# Allegro board 08_041351d.brd (continued)
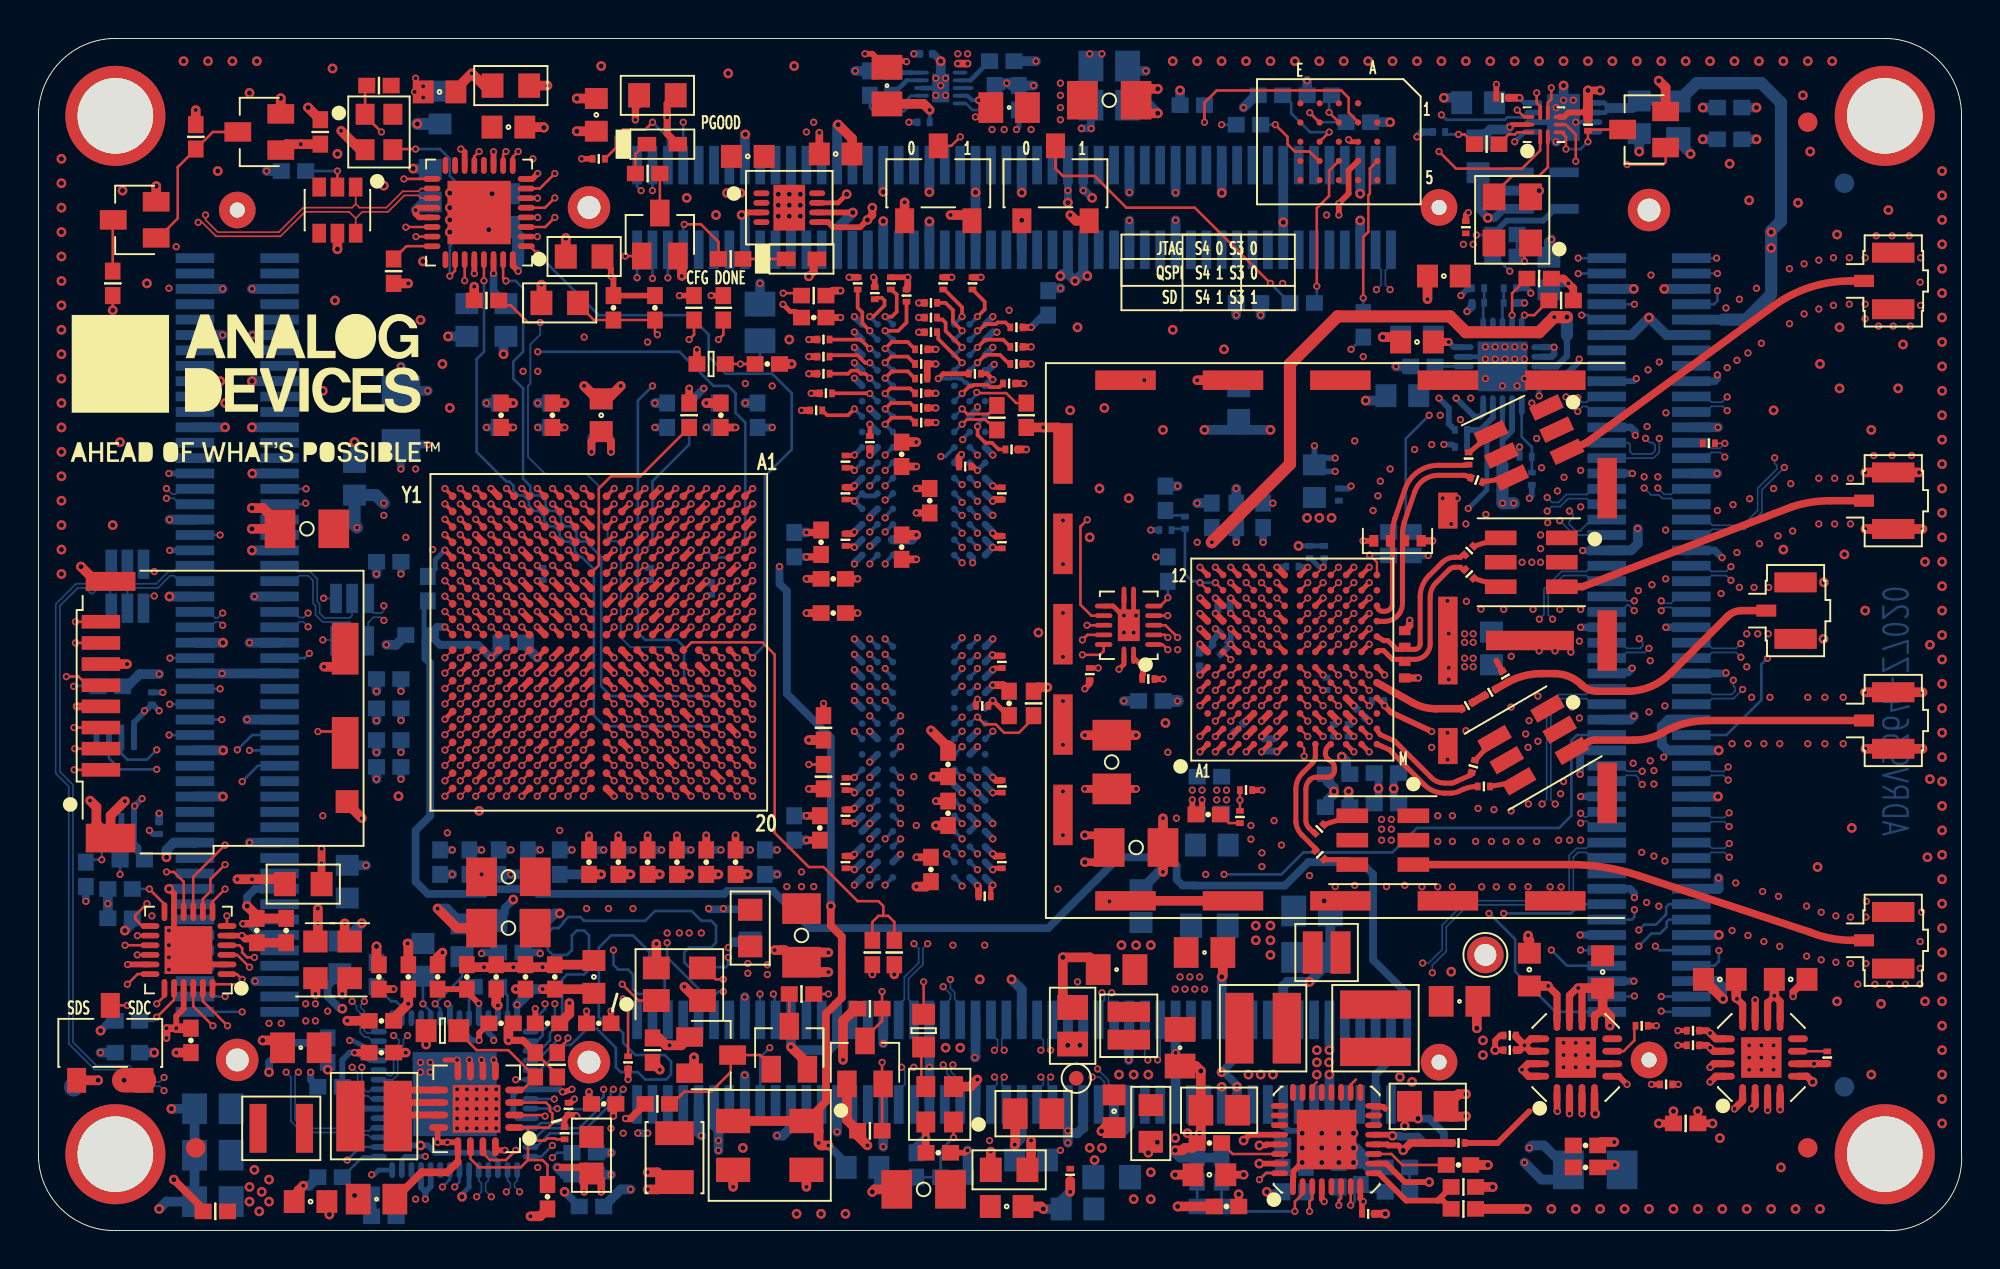
[diagram p0: board, top side]
## Routing (per net, layer and track width the routed paths; a pad name or vN(x,y) marks a point on that pad's centre or on a via; arc(x,y) is an arc through that point) (continued)
  BOTTOM w0.089: v1(55.07,8.41) 55.07,8.39 55.64,7.82 55.64,7.64 55.93,7.35 JX2.64
IO_L20_13_JX2_P: length 54.7
  TOP w0.089: U1.Y12 v1(21.14,28.99)
  L13_SIGNAL w0.089: v1(54.79,7.98) 54.28,8.49 52,8.49 50.65,7.14 34.95,7.14 33.4,8.69 33.4,9.71 31.22,11.89 31.22,12.55 30.58,13.19 28.5,13.19 26.85,14.84 24.18,14.84 20.5,18.52 20.5,22.33 20.12,22.71 20.12,28.56 20.55,28.99 v1(21.14,28.99)
  BOTTOM w0.089: v1(54.79,7.98) 55.17,7.98 55.42,7.73 55.42,7.6 55.13,7.3 JX2.62
IO_L20_34_JX4_N: length 80.4
  TOP w0.089: U1.R18 v1(25.14,24.19)
  L6_SIGNAL w0.089: v1(80.19,21.19) 80.44,21.44 81.1,21.44 81.22,21.33 81.22,21.2 81.08,21.06 80.7,21.06 80.57,20.94 80.57,20.68 80.7,20.56 80.95,20.56 81.33,20.94 81.61,20.94 81.84,20.7 81.84,20.24 81.27,19.67 78.86,19.67 77.9,18.71 77.9,17.41 76.53,16.03 66.57,16.03 62.69,12.15 60.4,12.15 58.06,9.81 55.4,9.81 54.2,8.62 48.46,8.62 47.46,7.61 36.62,7.61 30.52,13.71 29.82,13.71 27.94,15.59 27.94,16.86 27.29,17.51 26.32,17.51 25.35,18.48 25.35,20.36 25.05,20.66 25.05,21.79 25.54,22.28 25.54,23.53 25.14,23.93 v1(25.14,24.19)
  BOTTOM w0.089: JX4.76 80.83,20.97 80.51,21.29 80.29,21.29 v1(80.19,21.19)
IO_L20_34_JX4_P: length 80.4
  TOP w0.089: U1.T17 v1(24.34,24.99)
  L6_SIGNAL w0.089: v1(24.34,24.99) 24.34,24.72 24.8,24.26 24.8,20.55 25.1,20.25 25.1,18.37 26.21,17.25 27.19,17.25 27.69,16.75 27.69,15.49 29.72,13.46 30.41,13.46 36.51,7.36 47.56,7.36 48.57,8.36 54.31,8.36 55.5,9.56 58.17,9.56 60.5,11.89 62.79,11.89 66.68,15.78 76.64,15.78 78.16,17.3 78.16,18.61 78.96,19.41 81.37,19.41 82.09,20.13 82.09,20.81 81.21,21.7 v1(80.19,21.7)
  BOTTOM w0.089: v1(80.19,21.7) 80.38,21.51 80.51,21.51 80.77,21.77 JX4.74
IO_L20_35_CTRL_OUT2: length 38.7
  TOP w0.127: U1.K14 v1(29.94,27.39) ; U17.E5 v1(63.6,28.09)
  L4_SIGNAL w0.095: v1(29.94,27.39) 29.52,27.81 29.52,29.06 29.83,29.38 41.3,29.38 42.25,30.33 58.12,30.33 59.14,29.32 62.17,29.32 62.41,29.08 62.41,28.73 62.65,28.49 63.2,28.49 v1(63.6,28.09)
IO_L20_35_CTRL_OUT3: length 36.8
  TOP w0.127: U1.J14 v1(30.74,27.39) ; U17.E4 v1(63.6,27.29)
  L4_SIGNAL w0.095: v1(63.6,27.29) 63.22,27.67 62.6,27.67 62.41,27.86 62.41,28.3 62.22,28.49 59.11,28.49 58.85,28.24 57.96,28.24 57.39,28.81 42.09,28.81 41.84,28.56 30.53,28.56 30.34,28.37 30.34,27.78 v1(30.74,27.39)
IO_L21_13_JX2_N: length 57
  TOP w0.089: U1.V10 v1(22.74,31.39)
  L13_SIGNAL w0.089: v1(22.74,31.39) 23.07,31.05 23.07,28.84 22.75,28.52 22.6,28.52 22.27,28.2 22.27,22.33 22.02,22.08 22.02,20.66 22.4,20.28 22.4,18.02 24.56,15.86 27.72,15.86 29.37,14.21 31.02,14.21 32.51,12.71 32.51,12.38 34.5,10.4 57.18,10.4 58.07,9.51 58.07,9 v1(58.19,8.87)
  BOTTOM w0.089: JX2.69 58.33,9.01 v1(58.19,8.87)
IO_L21_13_JX2_P: length 57.1
  TOP w0.089: U1.V11 v1(22.74,29.79)
  L13_SIGNAL w0.089: v1(22.74,29.79) 22.79,29.84 22.79,30.46 22.66,30.59 22.53,30.59 22.4,30.46 22.4,28.98 21.95,28.52 21.8,28.52 21.6,28.33 21.6,22.25 21.77,22.08 21.77,20.56 22.15,20.17 22.15,17.91 24.46,15.6 27.61,15.6 29.26,13.95 30.91,13.95 32.26,12.61 32.26,12.28 34.39,10.14 57.08,10.14 57.81,9.4 57.81,9 v1(57.68,8.87)
  BOTTOM w0.089: JX2.67 57.53,9.03 v1(57.68,8.87)
IO_L21_34_JX4_N: length 85.6
  TOP w0.089: U1.V18 v1(22.74,24.19)
  L13_SIGNAL w0.089: v1(87.92,19.42) 87.46,19.87 86.8,19.87 86.41,19.48 86.41,14.97 83.87,12.43 83.87,11.92 83.11,11.16 74.6,11.16 73.59,10.14 58.22,10.14 57.46,10.9 35.66,10.9 34.8,11.77 34.8,13.32 33.81,14.31 31.7,14.31 30.53,15.48 28.75,15.48 27.23,17 25.85,17 25.09,17.76 24.33,17.76 23.42,18.67 23.42,22.03 23.17,22.28 23.17,24.45 23.02,24.59 22.86,24.59 22.74,24.47 v1(22.74,24.19)
  BOTTOM w0.089: JX4.79 86.69,19.37 86.98,19.66 87.67,19.66 v1(87.92,19.42)
IO_L21_34_JX4_P: length 85.5
  TOP w0.089: U1.V17 v1(22.74,24.99)
  L13_SIGNAL w0.089: v1(87.92,20.13) 86.7,20.13 86.16,19.59 86.16,15.07 83.62,12.53 83.62,12.02 83,11.41 74.5,11.41 73.48,10.4 58.32,10.4 57.56,11.16 35.77,11.16 35.05,11.87 35.05,13.42 33.91,14.56 31.81,14.56 30.64,15.73 28.86,15.73 27.34,17.25 25.96,17.25 25.2,18.02 24.44,18.02 23.67,18.78 23.67,22.08 23.93,22.33 23.93,24.31 23.65,24.58 23.42,24.58 23.01,24.99 v1(22.74,24.99)
  BOTTOM w0.089: JX4.77 86.73,20.17 87.02,19.88 87.67,19.88 v1(87.92,20.13)
IO_L21_35_CTRL_OUT4: length 52.8
  TOP w0.127: U1.N15 v1(26.74,26.59) ; U17.F6 v1(64.4,28.89)
  L13_SIGNAL w0.095: v1(26.74,26.59) 26.79,26.59 27.23,26.14 29.1,26.14 29.79,25.45 30.21,25.45 30.28,25.38 30.33,25.33 36.48,25.33 36.67,25.13 36.67,24.85 36.99,24.53 37.28,24.53 37.47,24.33 37.47,23.96 38.25,23.19 38.25,23.13 39.42,21.95 41.58,21.95 41.96,21.57 48.95,21.57 51.61,24.24 51.61,29.95 52.5,30.84 52.5,32.24 53.27,33 57.89,33 58.58,32.32 58.86,32.32 59.19,31.99 60.02,31.99 60.26,31.75 62.89,31.75 63.26,31.39 63.26,31.15 63.46,30.95 63.7,30.95 64.06,30.59 64.06,29.23 v1(64.4,28.89)
IO_L21_35_CTRL_OUT5: length 52
  TOP w0.127: U1.N16 v1(26.74,25.79) ; U17.F5 v1(64.4,28.09)
  L3_SIGNAL w0.095: v1(26.74,25.79) 26.75,25.79 27.21,26.25 29.12,26.25 29.79,26.93 30.08,26.93 30.4,27.25 30.4,27.53 30.66,27.79 37.48,27.79 38.33,28.65 38.33,31.13 42.34,35.15 44.22,35.15 44.63,35.55 47.16,35.55 47.5,35.9 50.31,35.9 50.87,35.33 54.83,35.33 55.3,35.8 v1(60.25,35.8)
  L4_SIGNAL w0.095: v1(64.4,28.09) 64.4,28.41 64,28.81 64,34.91 63.74,35.16 60.89,35.16 v1(60.25,35.8)
IO_L22_34_JX4_N: length 74.9
  TOP w0.089: U1.W19 v1(21.94,23.39)
  L3_SIGNAL w0.089: v1(21.94,23.39) 21.54,22.99 21.54,22.39 22.08,21.85 22.08,17.55 24.62,15.01 30.71,15.01 31.54,14.17 34.39,14.17 35.55,15.33 55.89,15.33 56.99,16.43 65.61,16.43 68.91,13.13 71.87,13.13 72.15,13.41 v1(72.48,13.41)
  BOTTOM w0.089: JX4.80 80.79,19.37 80.49,19.67 80.06,19.67 79.81,19.41 79.81,17.44 79.3,16.94 74.35,16.94 73.2,15.79 73.2,14.52 72.48,13.8 v1(72.48,13.41)
IO_L22_34_JX4_P: length 75
  TOP w0.089: U1.W18 v1(21.94,24.19)
  L3_SIGNAL w0.089: v1(21.94,24.19) 22.33,23.79 22.33,17.65 24.73,15.26 30.81,15.26 31.65,14.42 34.29,14.42 35.45,15.58 55.78,15.58 56.88,16.68 65.71,16.68 69.01,13.38 71.76,13.38 71.97,13.59 v1(71.97,13.91)
  BOTTOM w0.089: JX4.78 80.77,20.17 80.48,19.88 79.97,19.88 79.59,19.5 79.59,17.53 79.21,17.15 74.26,17.15 72.99,15.88 72.99,14.61 72.29,13.91 v1(71.97,13.91)
IO_L22_35_CTRL_OUT6: length 54.1
  TOP w0.127: U1.L14 v1(28.34,27.39) ; U17.F4 v1(64.4,27.29)
  L13_SIGNAL w0.095: v1(28.34,27.39) 28.91,27.39 29.37,26.93 30.08,26.93 30.27,26.73 30.27,26.27 30.42,26.13 36.48,26.13 36.67,25.93 36.67,25.65 36.99,25.33 37.28,25.33 37.47,25.13 37.47,24.66 39.8,22.33 46.18,22.33 46.52,22.67 47.13,22.67 47.68,23.23 48.97,23.23 49.29,23.55 49.29,23.71 49.49,23.9 49.5,23.9 51.36,25.76 51.36,32.24 52.5,33.38 59.11,33.38 60.06,32.43 62.94,32.43 63.26,32.11 63.26,31.95 63.46,31.75 63.53,31.75 63.55,31.73 64.57,31.73 64.82,31.48 64.82,27.72 v1(64.4,27.29)
IO_L22_35_CTRL_OUT7: length 49.2
  TOP w0.127: U17.G4 v1(66,27.29) ; U1.L15 v1(28.34,26.59)
  L4_SIGNAL w0.095: v1(28.34,26.59) 28.69,26.59 29.39,25.89 29.39,22.59 30.09,21.89 37.96,21.89 38.72,21.13 41.14,21.13 41.58,21.57 50.15,21.57 51.8,19.92 61.2,19.92 62.76,21.48 63.46,21.48 66.41,24.43 66.41,26.88 v1(66,27.29)
IO_L23_34_CTRL_IN0: length 40.5
  TOP w0.127: U1.N17 v1(26.74,24.99)
  TOP w0.14: U22.13 55.39,30.13 55.2,29.94 v1(54.28,29.94)
  L13_SIGNAL w0.095: v1(54.28,29.94) 53.91,29.94 53.65,29.67 53.65,27.03 52.88,26.27 52.88,22.97 49.85,19.93 49.49,19.93 49.29,19.73 49.29,19.37 49.07,19.16 45.87,19.16 45.79,19.07 45.5,19.07 45.42,19.16 40.18,19.16 37.09,22.25 36.99,22.25 36.8,22.45 36.8,22.61 36.48,22.93 29.81,22.93 28.67,24.06 28.67,24.33 28.48,24.53 27.52,24.53 27.06,24.99 v1(26.74,24.99)
IO_L23_34_CTRL_IN1: length 44.1
  TOP w0.127: U1.P18 v1(25.94,24.19)
  TOP w0.14: v1(54.28,30.72) 54.54,30.98 U22.12
  L13_SIGNAL w0.095: v1(54.28,30.72) 54.66,30.33 54.66,29.72 54.5,29.56 54.07,29.56 53.9,29.39 53.9,22.84 49.97,18.91 49.97,18.63 49.77,18.43 40.82,18.43 40.66,18.27 39.42,18.27 38.75,18.95 38.75,19.93 38,20.68 37.26,20.68 35.74,22.21 29.26,22.21 28.42,23.05 28.19,23.05 28,23.25 28,23.47 27.62,23.85 27.39,23.85 27.2,24.05 27.2,24.27 26.82,24.65 26.37,24.65 25.94,24.21 v1(25.94,24.19)
IO_L23_35_SPI_CLK: length 57.2
  TOP w0.127: U17.J5 v1(67.6,28.09) ; U1.M15 v1(27.54,26.59)
  L13_SIGNAL w0.095: v1(67.6,28.09) 67.36,28.33 67.36,28.65 67.24,28.77 67.24,29.19 67.14,29.29 67.14,32.23 66.82,32.55 63.46,32.55 63.26,32.75 63.26,33.03 62.94,33.35 60.26,33.35 59.85,33.76 52.25,33.76 51.11,32.62 51.11,26.14 49.2,24.24 48.19,24.24 47.11,23.16 42.79,23.16 42.72,23.23 42.29,23.23 42.16,23.35 39.93,23.35 38.15,25.13 38.15,25.38 37.28,26.25 36.99,26.25 36.8,26.45 36.8,26.74 36.61,26.93 30.64,26.93 30.27,27.29 30.27,27.53 30.01,27.79 28.25,27.79 27.87,27.42 27.87,27.25 27.54,26.91 v1(27.54,26.59)
IO_L23_35_SPI_ENB: length 55.8
  TOP w0.127: U17.K6 v1(68.4,28.89) ; U1.M14 v1(27.54,27.39)
  L4_SIGNAL w0.095: v1(27.54,27.39) 27.54,27.07 28,26.61 28,26.39 28.25,26.14 28.5,26.14 29.01,25.64 29.01,22.4 29.83,21.57 37.39,21.57 38.22,20.75 45.14,20.75 45.39,20.49 47.49,20.49 47.74,20.75 50.15,20.75 52.63,18.27 60.44,18.27 v1(60.69,18.52)
  L12_SIGNAL w0.095: v1(60.69,18.52) 61.01,18.84 61.01,19.54 64,22.52 64.31,22.52 65.14,23.35 65.14,28.11 65.52,28.49 68,28.49 v1(68.4,28.89)
IO_L24_34_CTRL_IN2: length 60.8
  TOP w0.127: U1.P15 v1(25.94,26.59)
  TOP w0.14: U22.11 v1(54.52,31.48)
  L12_SIGNAL w0.095: v1(54.03,12.94) 51.54,12.94 51.16,12.55 47.68,12.55 47.42,12.3 44.4,12.3 43.77,11.67 35.61,11.67 33.33,13.95 32.44,13.95 30.02,16.36 29.52,16.36 26.6,19.29 26.6,20.05 26.34,20.3 26.34,26.02 25.94,26.42 v1(25.94,26.59)
  L16_SIGNAL w0.095: v1(54.52,31.48) 54.14,31.48 53.9,31.24 53.9,24.37 52.38,22.84 52.38,13.95 53.39,12.94 v1(54.03,12.94)
IO_L24_34_CTRL_IN3: length 43.7
  TOP w0.127: U1.P16 v1(25.94,25.79)
  TOP w0.14: U22.10 54.75,31.98 54.18,32.54 54.18,36.61 v1(54.54,36.96)
  L3_SIGNAL w0.095: v1(25.94,25.79) 26.33,26.18 26.33,26.77 26.49,26.93 28.9,26.93 29.77,27.79 30.15,27.79 30.34,27.99 30.34,28.37 30.53,28.56 37.4,28.56 37.87,29.02 37.87,31.22 40.34,33.69 40.34,35.12 42.74,37.52 44.39,37.52 44.93,36.98 45.79,36.98 46.06,36.71 51.73,36.71 52.35,36.09 53.66,36.09 v1(54.54,36.96)
IO_L24_35_SPI_DI: length 47.3
  TOP w0.127: U1.K16 v1(29.94,25.79) ; U17.J4 v1(67.6,27.29)
  L4_SIGNAL w0.095: v1(67.6,27.29) 67.22,27.67 65.79,27.67 65.65,27.53 65.65,25.76 65.27,25.38 65.27,24.43 64.49,23.65 64.49,23.1 63.22,21.83 59.73,21.83 59.16,22.4 47.49,22.4 47.17,22.71 46.34,22.71 46.02,22.4 41.71,22.4 41.31,22 38.58,22 38.38,22.21 30.53,22.21 30.28,22.46 30.28,25.51 30,25.79 v1(29.94,25.79)
IO_L24_35_SPI_DO: length 48.5
  TOP w0.127: U1.J16 v1(30.74,25.79) ; U17.L6 v1(69.2,28.89)
  L3_SIGNAL w0.095: v1(30.74,25.79) 30.34,25.39 30.34,22.21 31.32,21.23 41.29,21.23 41.76,20.76 45.28,20.76 45.4,20.63 47.32,20.63 47.45,20.76 50.17,20.76 50.47,21.06 57.33,21.06 59.74,23.48 63.04,23.48 63.94,24.37 63.94,25.13 64.16,25.35 64.54,25.35 65.66,26.48 65.66,26.63 65.98,26.95 66.14,26.95 66.46,27.27 66.46,27.43 66.78,27.75 66.94,27.75 67.26,28.07 67.26,28.23 67.58,28.55 68.54,28.55 68.88,28.89 v1(69.2,28.89)
J3-9: length 103.4
  TOP w0.14: J3.9 15.95,25.83 15.82,25.95 v1(14.53,25.95) ; v1(78.67,59.43) 78.67,58.84 78.48,58.66 U5.7
  L7_SIGNAL w0.095: v1(78.67,59.43) 77.79,60.31 73.59,60.31 68.76,55.48 64.57,55.48 60.12,51.04 42.6,51.04 38.66,47.1 36.88,47.1 34.6,44.81 32.06,44.81 31.55,44.3 27.87,44.3 27.48,43.92 21.52,43.92 15.93,38.34 15.93,27.35 v1(14.53,25.95)
  L15_SIGNAL w0.095: v1(14.53,25.95) 7.99,25.95 7.55,26.4 3.74,26.4 v1(1.83,28.3)
  BOTTOM w0.14: 3.1,28.3 3.08,28.32 1.85,28.32 v1(1.83,28.3)
JTAG_TCK: length 26.7
  TOP w0.127: U1.F9 v1(33.14,32.19)
  L6_SIGNAL w0.095: v1(31.34,54.08) 31.34,52.39 33.07,50.65 33.07,48.85 32.99,48.76 32.99,48.48 33.07,48.4 33.07,41.51 31.17,39.61 31.17,33.68 31.39,33.45 31.68,33.45 32,33.13 32,32.85 32.19,32.65 32.67,32.65 v1(33.14,32.19)
  BOTTOM w0.14: JX1.1 31.13,54.29 v1(31.34,54.08)
JTAG_TDI: length 17.8
  TOP w0.127: U1.G6 v1(32.34,34.59)
  L3_SIGNAL w0.095: v1(31.93,49.51) 31.93,49.51 31.93,48.24 32.69,47.48 32.69,41.26 31.93,40.49 31.93,35.03 32.34,34.63 v1(32.34,34.59)
  BOTTOM w0.14: JX1.4 v1(31.93,49.51)
JTAG_TDO: length 24
  TOP w0.127: U1.F6 v1(33.14,34.59)
  L6_SIGNAL w0.095: v1(33.14,34.59) 32.82,34.59 32.35,35.05 32.19,35.05 31.87,35.37 31.87,39.42 33.45,41 33.45,48.27 33.79,48.61 33.79,49.78 33.45,50.12 33.45,51.04 31.68,52.81 31.68,53.83 v1(31.93,54.08)
  BOTTOM w0.14: JX1.3 v1(31.93,54.08)
JTAG_TMS: length 18
  TOP w0.127: U1.J6 v1(30.74,34.59)
  L3_SIGNAL w0.095: v1(30.74,34.59) 30.72,34.59 30.33,34.98 30.33,40.56 29.78,41.1 29.78,44.7 31.17,46.08 31.17,49.51 v1(31.13,49.55)
  BOTTOM w0.14: JX1.2 v1(31.13,49.55)
JX3_SD1_CDN: length 100.6
  TOP w0.14: v1(76.89,58.27) 77.25,57.91 U5.9
  L12_SIGNAL w0.095: v1(76.89,58.27) 74.73,58.27 72.7,60.31 66.25,60.31 66.2,60.36 65.73,60.36 65.68,60.31 58.22,60.31 54.03,56.12 30.53,56.12 28.88,57.77 20.63,57.77 16.56,53.7 15.17,53.7 5.89,44.43 5.89,41 4.75,39.86 4.75,29.95 5.26,29.45 5.26,28.43 6.32,27.37 v1(6.83,27.37)
  BOTTOM w0.14: JX3.41 v1(6.83,27.37)
JX_VCCO_13: length 111.2
  TOP w0.127: U1.W7 v1(21.94,33.79) ; U1.T8 v1(24.34,32.99) ; U1.U11 v1(23.54,29.79) ; U1.Y10 v1(21.14,31.39)
  L3_SIGNAL w0.406: v1(2.47,17.13) 2.47,20.17 3.35,21.06 3.99,21.06 v1(5.01,22.08)
  BOTTOM w0.254: C169.1 20.05,32.56 20.05,31.29 C170.1
  BOTTOM w0.305: v1(5.39,22.46) v1(5.01,22.08) 4.96,22.04 U21.1 4.96,20.15 5.2,19.92 5.2,19.6 R58.1
  BOTTOM w0.406: C243.2 v1(6.28,21.7) ; C170.1 20.12,30.72 20.12,29.76 20.37,29.51 20.37,21.57 19.61,20.81 19.61,18.14 20.25,17.51 23.17,17.51 23.41,17.75 24.47,17.75 24.5,17.77 24.88,17.77 24.91,17.75 25.72,17.75 25.96,17.51 35.66,17.51 35.82,17.66 38.2,17.66 40.13,15.73 52.5,15.73 56.19,19.41 58.75,19.41 59.18,18.98 59.18,18.26 59.49,17.95 60.06,17.95 60.07,17.94 64.81,17.94 66.03,19.16 68.76,19.16 69.39,18.52 69.39,14.08 71.17,12.3 71.17,9.76 69.53,8.12 JX2.98 ; C170.1 20.88,30.46 22.86,30.46 v1(23.54,29.79) 24.06,30.31 C48.1 ; C170.1 20.37,31.03 20.73,31.39 v1(21.14,31.39) ; v1(18.85,39.61) C27.1 v1(20.25,40.88) ; C46.1 v1(18.85,28.05) ; C167.1 v1(18.85,26.52) ; C171.1 v1(18.85,34.14) ; R57.1 v1(2.47,17.13)
  BOTTOM w0.508: JX3.46 v1(9.54,28.97) JX3.45
  vias: v1(19.61,39.61)
JX_VCCO_34: length 17.2
  TOP w0.127: U1.N19 v1(26.74,23.39) ; U1.W17 v1(21.94,24.99) ; U1.V14 v1(22.74,27.39) ; U1.T18 v1(24.34,24.19) ; U1.Y20 v1(21.14,22.59) ; U1.R15 v1(25.14,26.59)
  TOP w0.254: C246.1 v1(55.11,29.25) ; U22.14 56.44,29.45 v1(56.19,29.19)
  TOP w0.406: v1(57.08,22.97) C2.1 v1(54.41,22.97)
  BOTTOM w0.406: JX2.79 62.33,9.04 v2(61.52,8.24) 61.65,8.24 62.33,7.56 v2(62.33,7.47) JX2.80 ; C18.1 v1(18.85,23.48) ; C7.1 v1(24.56,19.79) ; C3.1 v1(23.04,19.79) ; v2(61.53,7.47) JX2.78 ; C22.1 v1(18.85,24.87) ; C15.1 v1(21.52,19.79) ; C4.1 v1(26.09,19.79)
JX_VIN: length 23.8
  TOP w0.305: R56.1 v1(28.25,55.73) ; 70.03,6.33 69.93,6.43 69.43,6.43
  TOP w0.406: C36.1 v1(40.6,57.09) ; R23.1 v2(70.03,0.87)
  BOTTOM w0.406: v2(53.53,53.46) v1(53.53,54.09) JX1.57 ; R25.2 73.08,4.62 73.08,5.06 72.32,5.82 v2(71.73,5.82) ; v1(31.68,5.06) v1(31.17,5.06) ; JX1.59 v1(54.33,54.08) 54.41,54.08 v2(54.79,53.7)
  BOTTOM w0.508: JX1.58 53.53,49.76 ; 53.53,49.76 53.27,49.76 53.15,49.64 v2(53.14,49.64) ; 53.53,49.76 v2(53.9,49.38) 54.33,49.81 ; v1(53.53,4.56) v1(53.53,5.19) ; v1(53.53,5.19) 53.65,5.06 54.03,5.06 54.28,5.32 54.33,5.32 JX2.60 ; v1(53.53,5.19) JX2.58 ; v2(54.54,49.64) 54.36,49.81 54.33,49.81 ; 54.33,49.81 JX1.60 ; JX2.57 53.53,9.64 v2(53.52,9.63) v2(54.15,9.63) 54.33,9.81 JX2.59 ; v1(35.36,4.17) v1(35.36,4.68) 35.36,5.23 35.13,5.47 JX2.12
  vias: v1(39.93,57.13) v1(40.31,57.64) v1(53.14,4.17) v2(62.92,8.11) v2(63.55,8.11) v2(64.19,8.11) v2(70.79,7.98) v2(71.05,5.44) v2(71.43,7.73)
PG_1P0V: length 3
  TOP w0.305: U18.16 23.76,4.3 23.89,4.17 v1(24.26,4.17) ; v2(62.66,4.68) 62.96,4.98 U4.28 ; R304.1 27.67,6.65 v1(27.87,6.84)
PG_1P8V: length 133.6
  TOP w0.305: v2(70.41,4.93) 70.36,4.98 U4.13 ; v2(43.11,52.56) 42.72,52.18 41.33,52.18 41.06,52.44 U9.5 ; v2(63.49,4.43) 63.81,4.43 63.86,4.48 U4.29
  TOP w0.406: v2(43.11,52.56) 43.36,52.81 v2(43.36,53.19)
  L4_SIGNAL w0.406: v1(34.47,4.93) 36.5,6.97 42.72,6.97 46.79,2.9 55.3,2.9 58.47,6.08 62.85,6.08 63.49,5.44 v2(63.49,4.43) 64.38,4.43 64.7,4.74 64.7,5.32 65.39,6.01 68.57,6.01 69.65,4.93 v2(70.41,4.93) 70.41,6.27 69.78,6.9 69.78,8.87 73.46,12.55 v2(73.46,13.46)
  L12_SIGNAL w0.406: v2(73.46,13.46) 73.46,15.35 74.16,16.05 74.16,23.35 74.92,24.11 74.92,27.16 77.33,29.57 77.33,30.4 76.82,30.91 76.82,32.51 70.92,38.41 70.92,42.27 71.55,42.91 71.55,49.13 69.65,51.04 43.74,51.04 43.11,51.67 v2(43.11,52.56) 43.11,52.94 v2(43.36,53.19)
  BOTTOM w0.406: R25.1 72.06,4.55 71.73,4.88 70.81,4.88 70.77,4.93 v2(70.41,4.93)
  BOTTOM w0.508: v1(34.47,4.93) 34.33,5.08 JX2.10
PG_MODULE: length 120.2
  TOP w0.14: R43.2 30.66,11.79 v1(30.41,12.05) ; Q14.1 v1(30.51,50.68)
  L3_SIGNAL w0.095: v1(30.41,12.05) 29.41,13.04 21.67,13.04 19.86,14.84 19.86,38.34 21.52,39.99 21.52,42.15 25.58,46.21 26.27,46.21 27.99,47.93 27.99,49.13 29.52,50.65 30.48,50.65 v1(30.51,50.68) 37.68,50.68 39.83,48.54 41.85,48.54 42.06,48.75 49.46,48.75 49.84,48.37 54.66,48.37 58.22,51.92 58.22,56.88 60.12,58.78 71.5,58.78 72.26,58.02 v1(72.95,58.02)
  L4_SIGNAL w0.095: v1(30.41,12.05) 35.23,12.05 v1(35.61,12.43)
  BOTTOM w0.14: v1(35.61,12.43) 35.36,12.43 35.13,12.2 JX2.11 ; v1(72.95,58.02) 73.2,57.77 76.25,57.77 76.38,57.89 77.14,57.89 77.39,58.14 U6.7
PHY1_1V8: length 14.8
  TOP w0.305: v1(27.25,7.21) 27.36,7.21 27.73,7.34 v1(27.74,7.35)
  TOP w0.381: v1(26.98,3.28) 28.44,3.28
  TOP w0.406: v2(15.13,0.83) 15.13,1.38 15,1.51 ; v1(29.26,2.01) 29.26,2.65 28.94,2.97 E14.2 28.69,2.97 28.37,2.65 v1(28.37,2.01)
  TOP w0.508: 28.44,3.28 E14.2
  BOTTOM w0.305: 20.12,2.01 20.39,2.29 U10.10 ; 20.12,2.01 19.89,2.24 U10.11 ; 20.12,2.01 v1(20.12,1.63) ; U10.52 24.92,5.84 24.69,6.08 24.69,7.09 24.94,7.35 25.59,7.35 U10.49 27.12,7.34 v1(27.25,7.21)
  BOTTOM w0.508: v1(26.98,3.28) 27.36,2.9 C212.1 ; R11.1 v1(29.77,4.05)
  vias: v1(19.61,1.63)
PHY1_AVDD_1V8: length 20.4
  TOP w0.305: C201.1 C218.1 22.28,12.43 v1(22.89,11.81)
  TOP w0.508: C203.1 18.47,11.03 v1(19.23,11.79) C211.1
  BOTTOM w0.254: 23.42,4.05 23.89,3.57 U10.3 ; U10.26 17.39,9.34 16.32,9.89 v1(16.18,9.89)
  BOTTOM w0.305: 23.42,4.05 20.63,4.05 20.25,4.43 v2(19.86,4.43) 19.36,4.43 18.91,4.87 18.91,5.38 18.45,5.84 U10.19 ; U10.35 21.39,11.66 v1(21.26,11.79) ; U10.38 v1(22.89,11.81)
  BOTTOM w0.406: v2(24.69,17.22) 24.25,16.77 24.25,16.52 C210.1 ; v2(15.8,11.54) 15.67,11.54 15.04,12.17 15.04,12.72 C219.1 ; 23.93,14.46 23.09,14.46 v1(23.04,14.41)
PHY1_AVDD_1V8_OUT: length 107.5
  L15_SIGNAL w0.406: v2(36.63,4.3) 35.61,3.28 34.22,3.28 33.45,4.05 31.55,4.05 31.04,3.54 28.88,3.54 27.23,5.19 26.09,5.19 25.58,5.7 25.58,8.36 25.07,8.87 24.69,8.87 v1(23.67,9.89) 23.67,10.52 24.4,11.25 24.4,12.27 24.32,12.35 24.32,12.76 24.61,13.05 24.74,13.05 25.58,13.89 25.58,13.95 26.04,14.41 v1(26.09,14.41)
  L16_SIGNAL w0.406: v2(36.63,4.3) 37.52,3.41 52.5,3.41 53.07,2.84 55.36,2.84 59.74,7.22 59.74,9 62.41,11.67 62.41,15.98 57.46,20.94 57.46,22.21 57.96,22.71 57.96,27.54 56.82,28.68 56.82,29.83 57.71,30.72 57.71,33.26 59.11,34.65 59.11,35.8 60.25,36.94 64.42,36.94 65.46,37.98 65.46,41.51 67.87,43.92 73.08,43.92 v1(73.71,43.29)
  BOTTOM w0.305: v1(73.71,43.29) 74.67,42.33 74.98,42.33 75.13,42.48 U24.5 ; v1(23.67,9.89) 23.67,10.01 23.39,10.3 U10.39
  BOTTOM w0.406: R3.2 26.04,14.46 v1(26.09,14.41)
PHY1_AVDD_3V3: length 9.8
  TOP w0.381: C208.1 v1(16.44,9.25)
  TOP w0.406: E15.2 v1(14.72,19.09) v1(14.72,19.86) ; C49.1 v1(18.47,12.55)
  TOP w0.508: C217.1 v1(24.82,12.55)
  BOTTOM w0.254: v1(16.44,9.25) 17.25,8.84 U10.25
  BOTTOM w0.305: v1(16.44,9.25) 16.18,9.25 15.8,8.87 C214.1 16.93,6.34 U10.20
PHY1_DVDD_1V0: length 28.2
  TOP w0.508: v1(23.89,11.7) 23.8,11.79 C73.1 ; v1(26.21,12.55) C63.1 28.67,12.55 C58.1
  L6_SIGNAL w0.381: v1(24.89,11.74) 23.93,11.74 v1(23.89,11.7)
  L6_SIGNAL w0.406: v2(27.36,2.01) 26.34,2.01 25.45,2.9 25.45,9.25 25.07,9.63 25.07,10.04 23.89,11.22 v1(23.89,11.7)
  L16_SIGNAL w0.406: v2(22.02,1.76) 22.02,1.47 22.4,1.09 25.04,1.09 25.96,2.01 v2(27.36,2.01)
  BOTTOM w0.254: U10.6 22.39,2.26 22.02,1.89 v2(22.02,1.76)
  BOTTOM w0.305: U10.40 v1(23.89,11.7) ; U10.42 v1(24.89,11.74)
  BOTTOM w0.406: C75.1 v2(27.36,2.01)
  BOTTOM w0.508: v1(26.21,12.55) 25.71,12.55 v1(24.89,11.74)
PHY1_LED_0: length 69.8
  TOP w0.508: Q2.1 12.9,56.5 v1(13.64,56.5) R14.1
  L12_SIGNAL w0.102: v1(17.32,2.9) 15.29,2.9 13.9,4.3 11.48,4.3 8.18,7.6 8.18,10.9 6.15,12.94 6.15,15.35 3.74,17.76 3.74,22.84 3.1,23.48 3.1,38.84 5.39,41.13 5.39,45.96 13.64,54.21 v1(13.64,56.5)
  BOTTOM w0.254: v1(17.32,2.9) 17.45,2.9 17.69,3.14 U10.14
PHY1_LED_1: length 23.4
  TOP w0.508: R13.1 32.25,10.01 32.63,9.63 v1(32.82,9.63) 33.43,9.63 Q1.1
  L4_SIGNAL w0.406: v1(20.12,3.85) 19.29,3.85 18.98,4.17 18.98,5.7 21.45,8.17 23.86,8.17 26.6,10.9 31.55,10.9 v1(32.82,9.63)
  BOTTOM w0.254: U10.13 18.89,3.66 19.08,3.85 v1(20.12,3.85)
PHY1_VDD_3V3: length 59.9
  TOP w0.305: C226.1 22.91,10.27 v1(22.91,9.89) ; C50.1 v1(25.83,11.54) ; C225.1 v1(28.5,11.41)
  TOP w0.381: C224.1 28.63,6.71 v1(28.63,7.22) ; R15.1 30.79,5.82 v1(30.53,5.82)
  TOP w0.508: R16.1 v1(8.18,58.27) ; v1(15.8,12.3) 15.8,12.86 16.07,13.13 E16.2
  L7_SIGNAL w0.406: 15.04,12.55 12.63,14.97 11.1,14.97 10.72,14.59 9.07,14.59 8.18,15.48 8.18,51.42 7.42,52.18 7.42,55.23 8.18,55.99 v1(8.18,58.27)
  BOTTOM w0.305: U10.36 21.89,10.53 22.53,9.89 v1(22.91,9.89)
PS-SRST#: length 72.1
  TOP w0.127: v1(36.34,31.39) U1.B10
  TOP w0.14: R7.2 43.87,7.58 Q5.2 43.87,7.68 v1(43.87,8.74)
  L3_SIGNAL w0.095: v1(36.34,31.39) 36.73,31.78 37.43,31.78 39.59,33.94 39.59,36.7 41.23,38.34 44.63,38.34 44.78,38.18 46.3,38.18 46.45,38.34 52.12,38.34 57.27,43.48 64,43.48 66.35,45.83 v1(68.25,45.83)
  L16_SIGNAL w0.095: v1(43.87,8.74) 39.3,13.32 39.3,20.17 39.59,20.47 39.59,24.83 37.49,26.93 36.32,26.93 35.93,27.32 35.93,28.75 36,28.81 36,29.13 36.19,29.33 36.35,29.33 36.67,29.65 36.67,30.29 36.34,30.63 v1(36.34,31.39)
  BOTTOM w0.14: R19.1 v1(68.25,45.83)
PS_MIO00_500_JX4: length 67.1
  TOP w0.127: U1.E6 v1(33.94,34.59)
  L15_SIGNAL w0.095: v1(33.94,34.59) 33.94,34.55 34.24,34.25 37.41,34.25 39.04,32.62 40.31,32.62 41.26,31.67 49.77,31.67 50.34,31.1 50.34,30.08 51.23,29.19 51.23,27.54 52.95,25.83 53.33,25.83 54.28,24.87 54.28,23.79 58.41,19.67 61.2,19.67 63.23,17.63 66.47,17.63 67.49,18.65 80.38,18.65 83,16.03 83.44,16.03 84.99,14.48 84.99,12.78 v1(84.38,12.17)
  BOTTOM w0.14: v1(84.38,12.17) JX4.97
PS_MIO01_500_QSPI0_SS_B: length 50.2
  TOP w0.127: U1.A7 v1(37.14,33.79)
  TOP w0.14: v1(67.11,58.15) 67.62,57.64 U13.C2
  L3_SIGNAL w0.095: v1(67.11,58.15) 66.07,57.11 66.07,56.86 67.15,55.77 67.15,55.52 66.97,55.35 66.72,55.35 65.64,56.43 65.39,56.43 64.82,55.86 64.82,54.29 62.41,51.87 61.09,51.87 53.9,44.69 42.22,44.69 41.71,44.18 41.71,40.44 38.69,37.42 38.69,35.24 38,34.55 38,34.22 37.57,33.79 v1(37.14,33.79)
  BOTTOM w0.14: v1(67.11,58.15) 67.11,58.91 R28.2
PS_MIO02_500_QSPI0_IO0: length 53
  TOP w0.127: U1.B8 v1(36.34,32.99)
  TOP w0.14: v1(67.12,57.12) U13.D3
  L3_SIGNAL w0.095: v1(67.12,57.12) 67.74,57.75 67.74,58.15 67.99,58.39 68.39,58.39 68.62,58.16 68.62,55.44 68.03,54.85 66.07,54.85 62.64,51.42 61.27,51.42 53.87,44.03 53.11,44.03 49.81,40.72 46,40.72 45.21,39.94 41.76,39.94 38.95,37.13 38.95,34.44 37.9,33.38 36.76,33.38 36.36,32.99 v1(36.34,32.99)
  BOTTOM w0.14: v1(67.12,57.12) 66.12,57.12 65.14,58.1 65.14,58.63 64.73,59.04 R120.1
PS_MIO03_500_QSPI0_IO1: length 52
  TOP w0.127: U1.D6 v1(34.74,34.59)
  TOP w0.14: U13.D2 v1(66.11,58.13)
  L3_SIGNAL w0.095: v1(66.11,58.13) 64.97,57 63.93,57 63.68,56.75 63.68,56.45 63.86,56.28 64.14,56.28 64.31,56.1 64.31,55.85 64.14,55.67 63.86,55.67 63.68,55.5 63.68,55.25 63.86,55.07 64.14,55.07 64.31,54.89 64.31,54.64 64.14,54.47 63.86,54.47 63.68,54.29 63.68,53.96 62,52.28 60.93,52.28 54.14,45.49 42.05,45.49 41.38,44.81 41.38,40.7 38.39,37.71 38.39,35.27 37.31,34.2 35.13,34.2 v1(34.74,34.59)
  BOTTOM w0.14: v1(66.11,58.13) 66.6,57.64 R119.1
PS_MIO04_500_QSPI0_IO2: length 51.3
  TOP w0.127: U1.B7 v1(36.34,33.79)
  TOP w0.14: U13.C4 67.11,55.12 67.11,53.8 66.47,53.16 v1(66.47,49.11)
  L3_SIGNAL w0.095: v1(66.47,49.11) 64.67,50.91 61.39,50.91 54.41,43.92 54.41,42.15 51.42,39.16 41.49,39.16 39.3,36.96 39.3,34.13 37.76,32.6 36.12,32.6 35.94,32.77 35.94,33.4 v1(36.34,33.79)
  BOTTOM w0.14: R121.1 66.35,48.37 66.47,48.5 66.47,49.11 v1(66.47,49.11)
PS_MIO05_500_QSPI0_IO3: length 50.4
  TOP w0.127: U1.A6 v1(37.14,34.59)
  TOP w0.14: v1(64.31,57.51) 64.95,56.88 64.95,56.5 65.33,56.12 66.09,56.12 66.58,55.62 U13.D4
  L3_SIGNAL w0.095: v1(37.14,34.59) 38.1,35.55 38.1,37.95 41,40.85 41,45.3 42.04,46.34 54.33,46.34 60.71,52.71 61.57,52.71 62.23,53.37 62.23,54.12 62.41,54.3 62.89,54.3 63.07,54.48 63.07,54.73 62.89,54.9 62.41,54.9 62.23,55.08 62.23,55.33 62.41,55.51 63.02,55.51 63.2,55.68 63.2,55.93 63.02,56.11 62.41,56.11 62.23,56.29 62.23,57.23 62.51,57.51 v1(64.31,57.51)
  BOTTOM w0.14: R122.1 v1(64.31,57.51)
